# KiCad board keyboardv2.kicad_pcb (continued)
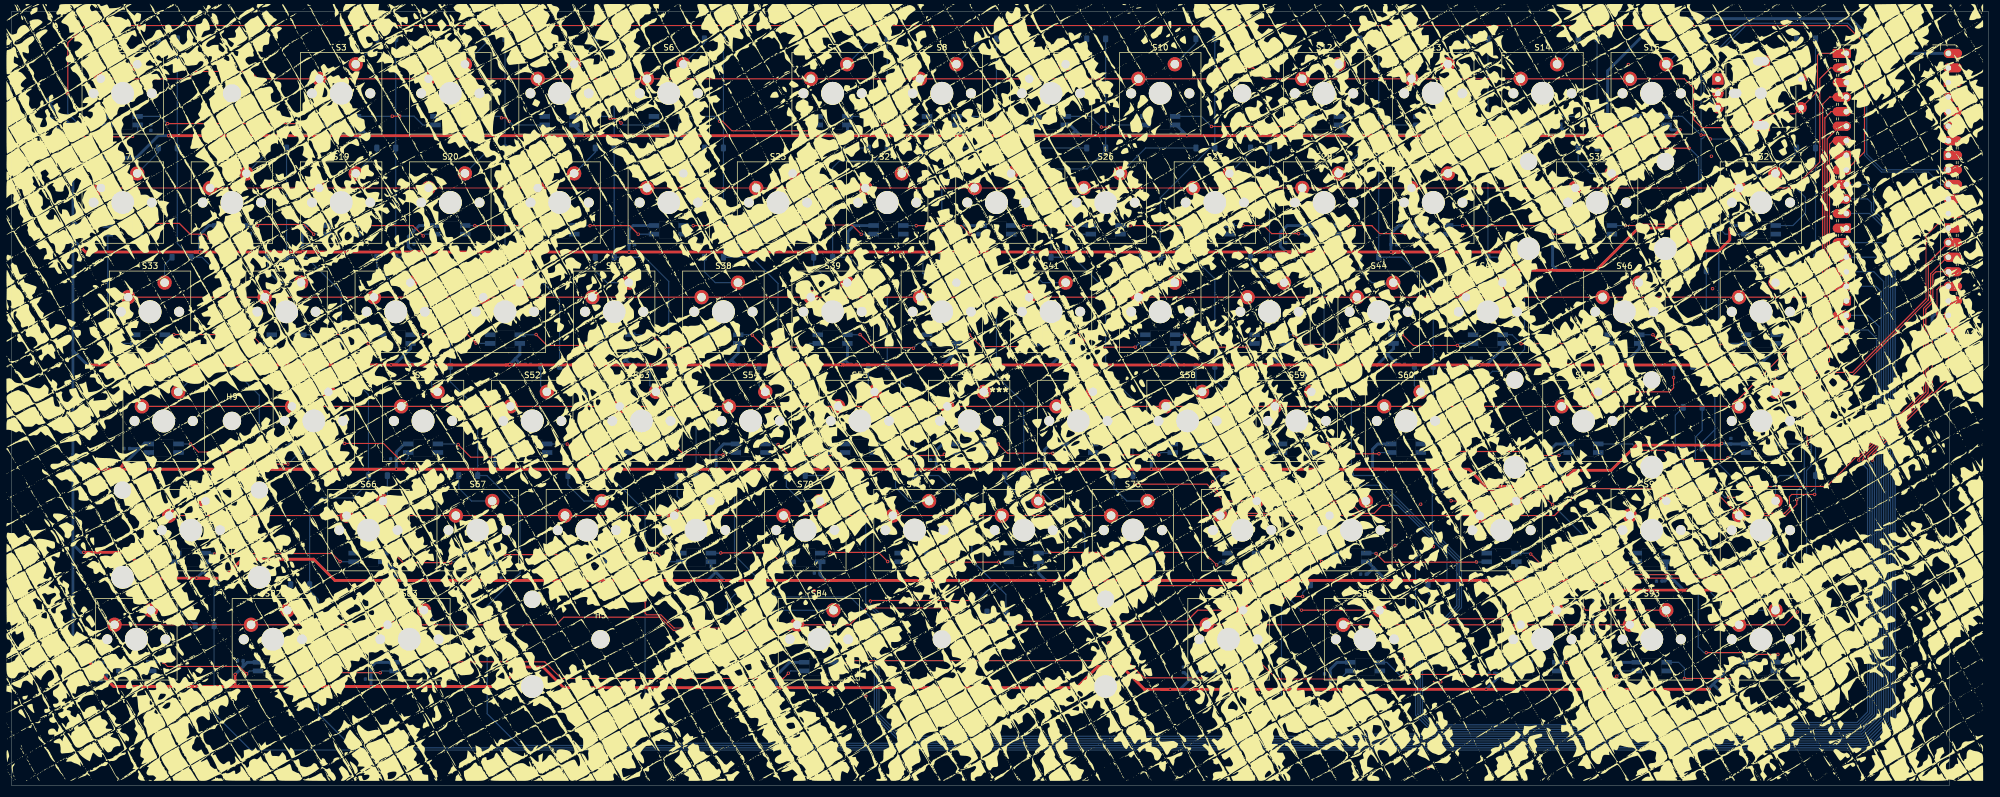
[diagram p0: board, top side]
## Footprints (pads in the part's own frame, mm; a bottom-side part is the same pattern mirrored in y, then rotated)
C_0402_1005Metric
  rrect 0.56x0.62 smd: 1(-0.48,0) 2(0.48,0)
D_SOD-123
  rrect 0.9x1.2 smd: 1(-1.65,0) 2(1.65,0)
LED_SK6812-E
  rect 1.8x0.82 smd: 1(2.6,0.75) 2(2.6,-0.75) 3(-2.6,-0.75) 4(-2.6,0.75)
MountingHole_3.2mm_M3
  round 3.2 hole 3.2 unplated: (0,0)
MX_PCB_1.00u
  round 1.75 hole 1.75 unplated: (-5.08,0) (5.08,0)
  round 4 hole 4 unplated: (0,0)
  round 2.5 hole 1.5: 1(-3.81,2.54) 2(2.54,5.08)
MX_PCB_1.25u
  round 1.75 hole 1.75 unplated: (-5.08,0) (5.08,0)
  round 4 hole 4 unplated: (0,0)
  round 2.5 hole 1.5: 1(-3.81,2.54) 2(2.54,5.08)
MX_PCB_1.50u
  round 1.75 hole 1.75 unplated: (-5.08,0) (5.08,0)
  round 4 hole 4 unplated: (0,0)
  round 2.5 hole 1.5: 1(-3.81,2.54) 2(2.54,5.08)
MX_PCB_1.75u
  round 1.75 hole 1.75 unplated: (-5.08,0) (5.08,0)
  round 4 hole 4 unplated: (0,0)
  round 2.5 hole 1.5: 1(-3.81,2.54) 2(2.54,5.08)
MX_PCB_2.00u
  round 1.75 hole 1.75 unplated: (-5.08,0) (5.08,0)
  round 4 hole 4 unplated: (0,0)
  round 2.5 hole 1.5: 1(-3.81,2.54) 2(2.54,5.08)
MX_PCB_2.25u
  round 1.75 hole 1.75 unplated: (-5.08,0) (5.08,0)
  round 4 hole 4 unplated: (0,0)
  round 2.5 hole 1.5: 1(-3.81,2.54) 2(2.54,5.08)
MX_PCB_6.25u
  round 1.75 hole 1.75 unplated: (-5.08,0) (5.08,0)
  round 4 hole 4 unplated: (0,0)
  round 2.5 hole 1.5: 1(-3.81,2.54) 2(2.54,5.08)
RaspberryPi_Pico_Common_Unspecified
  custom 3.2x1.6 smd: 1(-9.69,24.13) 3(-9.69,19.05) 8(-9.69,6.35) 13(-9.69,-6.35) 18(-9.69,-19.05) 23(9.69,-19.05) 28(9.69,-6.35) 33(9.69,6.35) 38(9.69,19.05)
  rrect 1.6x1.6 hole 1: 1(-8.89,24.13)
  rrect 3.2x1.6 smd: 2(-9.69,21.59) 4(-9.69,16.51) 5(-9.69,13.97) 6(-9.69,11.43) 7(-9.69,8.89) 9(-9.69,3.81) 10(-9.69,1.27) 11(-9.69,-1.27) 12(-9.69,-3.81) 14(-9.69,-8.89) 15(-9.69,-11.43) 16(-9.69,-13.97) 17(-9.69,-16.51) 19(-9.69,-21.59) 20(-9.69,-24.13) 21(9.69,-24.13) 22(9.69,-21.59) 24(9.69,-16.51) 25(9.69,-13.97) 26(9.69,-11.43) 27(9.69,-8.89) 29(9.69,-3.81) 30(9.69,-1.27) 31(9.69,1.27) 32(9.69,3.81) 34(9.69,8.89) 35(9.69,11.43) 36(9.69,13.97) 37(9.69,16.51) 39(9.69,21.59) 40(9.69,24.13)
  round 1.6 hole 1: 2(-8.89,21.59) 4(-8.89,16.51) 5(-8.89,13.97) 6(-8.89,11.43) 7(-8.89,8.89) 9(-8.89,3.81) 10(-8.89,1.27) 11(-8.89,-1.27) 12(-8.89,-3.81) 14(-8.89,-8.89) 15(-8.89,-11.43) 16(-8.89,-13.97) 17(-8.89,-16.51) 19(-8.89,-21.59) 20(-8.89,-24.13) 21(8.89,-24.13) 22(8.89,-21.59) 24(8.89,-16.51) 25(8.89,-13.97) 26(8.89,-11.43) 27(8.89,-8.89) 29(8.89,-3.81) 30(8.89,-1.27) 31(8.89,1.27) 32(8.89,3.81) 34(8.89,8.89) 35(8.89,11.43) 36(8.89,13.97) 37(8.89,16.51) 39(8.89,21.59) 40(8.89,24.13)
  custom 1.6x1.6 hole 1: 3(-8.89,19.05) 8(-8.89,6.35) 13(-8.89,-6.35) 18(-8.89,-19.05) 23(8.89,-19.05) 28(8.89,-6.35) 33(8.89,6.35) 38(8.89,19.05)
RotaryEncoder_Alps_EC11E-Switch_Vertical_H20mm_MountingHoles
  oval 2.2x1.6 hole 2.2x1.6 unplated: (3,-2.5)
  round 2.1 hole 2.1 unplated: (7.5,-2.5)
  rect 2x2 hole 1: A(0,0)
  round 2 hole 1: B(0,-5) C(0,-2.5) S1(14.5,-5) S2(14.5,0)
  rect 3.2x2 hole 2.8x1.5: MP(7.5,3.1) MP(7.5,-8.1)
Stabilizer_MX_2.00u
  round 3.048 hole 3.048 unplated: (-11.938,6.985) (11.938,6.985)
  round 3.988 hole 3.988 unplated: (-11.938,-8.225) (11.938,-8.225)
Stabilizer_MX_6.25u
  round 3.048 hole 3.048 unplated: (-50,6.985) (50,6.985)
  round 3.988 hole 3.988 unplated: (-50,-8.225) (50,-8.225)

## Nets
GND: A1.3 A1.8 A1.13 A1.18 A1.23 A1.28 A1.33 A1.38 C1.1 C2.1 C3.1 C4.1 C5.1 C6.1 C7.1 C8.1 C9.1 C10.1 C11.1 C12.1 C13.1 C14.1 C15.1 C16.1 C17.1 C18.1 C19.1 C20.1 C21.1 C22.1 C23.1 C24.1 C25.1 C26.1 C27.1 C28.1 C29.1 C30.1 C31.1 C32.1 C33.1 C34.1 C35.1 C36.1 C37.1 C38.1 C39.1 C40.1 C41.1 C42.1 C43.1 C44.1 C45.1 C46.1 C47.1 C48.1 C49.1 C50.1 C51.1 C52.1 C53.1 C54.1 C55.1 C56.1 C57.1 C58.1 C59.1 C60.1 C61.1 C62.1 C63.1 C64.1 C65.1 C66.1 C67.1 C68.1 C69.1 C70.1 C71.1 C72.1 C73.1 C74.1 C75.1 C76.1 C77.1 C78.1 C79.1 C80.1 D97.3 D99.3 D100.3 D101.3 D102.3 D103.3 D104.3 D105.3 D106.3 D108.3 D109.3 D110.3 D111.3 D113.3 D114.3 D115.3 D116.3 D117.3 D118.3 D119.3 D120.3 D121.3 D122.3 D123.3 D124.3 D125.3 D126.3 D128.3 D129.3 D130.3 D131.3 D132.3 D133.3 D134.3 D135.3 D136.3 D137.3 D138.3 D139.3 D140.3 D141.3 D142.3 D144.3 D145.3 D146.3 D147.3 D148.3 D149.3 D150.3 D151.3 D152.3 D153.3 D154.3 D155.3 D156.3 D158.3 D160.3 D161.3 D162.3 D163.3 D164.3 D165.3 D166.3 D167.3 D168.3 D169.3 D170.3 D171.3 D173.3 D176.3 D177.3 D178.3 D179.3 D180.3 D183.3 D184.3 D185.3 D189.3 D190.3 D192.3 SW1.C SW1.MP
VBUS: A1.40 C2.2 C3.2 C4.2 C5.2 C6.2 C7.2 C8.2 C9.2 C10.2 C11.2 C12.2 C13.2 C14.2 C15.2 C16.2 C17.2 C18.2 C19.2 C20.2 C21.2 C22.2 C23.2 C24.2 C25.2 C26.2 C27.2 C28.2 C29.2 C30.2 C31.2 C32.2 C33.2 C34.2 C35.2 C36.2 C37.2 C38.2 C39.2 C40.2 C41.2 C42.2 C43.2 C44.2 C45.2 C46.2 C47.2 C48.2 C49.2 C50.2 C51.2 C52.2 C53.2 C54.2 C55.2 C56.2 C57.2 C58.2 C59.2 C60.2 C61.2 C62.2 C63.2 C64.2 C65.2 C66.2 C67.2 C68.2 C69.2 C70.2 C71.2 C72.2 C73.2 C74.2 C75.2 C76.2 C77.2 C78.2 C79.2 C80.2 D85.2 D99.1 D100.1 D101.1 D102.1 D103.1 D104.1 D105.1 D106.1 D108.1 D109.1 D110.1 D111.1 D113.1 D114.1 D115.1 D116.1 D117.1 D118.1 D119.1 D120.1 D121.1 D122.1 D123.1 D124.1 D125.1 D126.1 D128.1 D129.1 D130.1 D131.1 D132.1 D133.1 D134.1 D135.1 D136.1 D137.1 D138.1 D139.1 D140.1 D141.1 D142.1 D144.1 D145.1 D146.1 D147.1 D148.1 D149.1 D150.1 D151.1 D152.1 D153.1 D154.1 D155.1 D156.1 D158.1 D160.1 D161.1 D162.1 D163.1 D164.1 D165.1 D166.1 D167.1 D168.1 D169.1 D170.1 D171.1 D173.1 D176.1 D177.1 D178.1 D179.1 D180.1 D183.1 D184.1 D185.1 D189.1 D190.1 D192.1
COL0: A1.10 D1.1 D17.1 D33.1 D49.1 D65.1 D81.1
COL1: A1.11 D18.1 D34.1 D50.1 D66.1 D82.1
COL2: A1.12 D3.1 D19.1 D35.1 D51.1 D67.1 D83.1
COL3: A1.14 D4.1 D20.1 D36.1 D52.1 D68.1 D84.1
COL4: A1.15 D5.1 D21.1 D37.1 D53.1 D69.1
COL5: A1.16 D6.1 D22.1 D38.1 D54.1 D70.1
COL6: A1.17 D7.1 D23.1 D39.1 D55.1 D71.1 D87.1
COL7: A1.19 D8.1 D24.1 D40.1 D56.1 D72.1 D88.1
COL8: A1.20 D9.1 D25.1 D41.1 D57.1 D73.1 D89.1
COL9: A1.21 D10.1 D26.1 D42.1 D58.1 D74.1
COL10: A1.22 D27.1 D43.1 D59.1 D75.1
COL11: A1.24 D12.1 D28.1 D44.1 D60.1
COL12: A1.25 D13.1 D29.1 D45.1 D77.1 D93.1
COL13: A1.26 D14.1 D30.1 D46.1 D62.1 D94.1
COL14: A1.27 D15.1
COL15: A1.29 D16.1 D32.1 D48.1 D64.1 D80.1 D96.1
ENC_A: A1.31 SW1.A
ENC_B: A1.32 SW1.B
ENC_SW_1: A1.1 S1.1 S3.1 S4.1 S5.1 S6.1 S7.1 S8.1 S9.1 S10.1 S12.1 S13.1 S14.1 S15.1 SW1.S1
ENC_SW_2: D16.2 SW1.S2
RGB DATA: A1.9 D97.4
ROW1: A1.2 S17.1 S18.1 S19.1 S20.1 S21.1 S22.1 S23.1 S24.1 S25.1 S26.1 S27.1 S28.1 S29.1 S30.1 S32.1
ROW2: A1.4 S33.1 S34.1 S35.1 S36.1 S37.1 S38.1 S39.1 S40.1 S41.1 S42.1 S43.1 S44.1 S45.1 S46.1 S48.1
ROW3: A1.5 S49.1 S50.1 S51.1 S52.1 S53.1 S54.1 S55.1 S56.1 S57.1 S58.1 S59.1 S60.1 S62.1 S64.1
ROW4: A1.6 S65.1 S66.1 S67.1 S68.1 S69.1 S70.1 S71.1 S72.1 S73.1 S74.1 S75.1 S77.1 S80.1
ROW5: A1.7 S81.1 S82.1 S83.1 S84.1 S87.1 S88.1 S89.1 S93.1 S94.1 S96.1
Net-(D1-A): D1.2 S1.2
Net-(D3-A): D3.2 S3.2
Net-(D4-A): D4.2 S4.2
Net-(D5-A): D5.2 S5.2
Net-(D6-A): D6.2 S6.2
Net-(D7-A): D7.2 S7.2
Net-(D8-A): D8.2 S8.2
Net-(D9-A): D9.2 S9.2
Net-(D10-A): D10.2 S10.2
Net-(D12-A): D12.2 S12.2
Net-(D13-A): D13.2 S13.2
Net-(D14-A): D14.2 S14.2
Net-(D15-A): D15.2 S15.2
Net-(D17-A): D17.2 S17.2
Net-(D18-A): D18.2 S18.2
Net-(D19-A): D19.2 S19.2
Net-(D20-A): D20.2 S20.2
Net-(D21-A): D21.2 S21.2
Net-(D22-A): D22.2 S22.2
Net-(D23-A): D23.2 S23.2
Net-(D24-A): D24.2 S24.2
Net-(D25-A): D25.2 S25.2
Net-(D26-A): D26.2 S26.2
Net-(D27-A): D27.2 S27.2
Net-(D28-A): D28.2 S28.2
Net-(D29-A): D29.2 S29.2
Net-(D30-A): D30.2 S30.2
Net-(D32-A): D32.2 S32.2
Net-(D33-A): D33.2 S33.2
Net-(D34-A): D34.2 S34.2
Net-(D35-A): D35.2 S35.2
Net-(D36-A): D36.2 S36.2
Net-(D37-A): D37.2 S37.2
Net-(D38-A): D38.2 S38.2
Net-(D39-A): D39.2 S39.2
Net-(D40-A): D40.2 S40.2
Net-(D41-A): D41.2 S41.2
Net-(D42-A): D42.2 S42.2
Net-(D43-A): D43.2 S43.2
Net-(D44-A): D44.2 S44.2
Net-(D45-A): D45.2 S45.2
Net-(D46-A): D46.2 S46.2
Net-(D48-A): D48.2 S48.2
Net-(D49-A): D49.2 S49.2
Net-(D50-A): D50.2 S50.2
Net-(D51-A): D51.2 S51.2
Net-(D52-A): D52.2 S52.2
Net-(D53-A): D53.2 S53.2
Net-(D54-A): D54.2 S54.2
Net-(D55-A): D55.2 S55.2
Net-(D56-A): D56.2 S56.2
Net-(D57-A): D57.2 S57.2
Net-(D58-A): D58.2 S58.2
Net-(D59-A): D59.2 S59.2
Net-(D60-A): D60.2 S60.2
Net-(D62-A): D62.2 S62.2
Net-(D64-A): D64.2 S64.2
Net-(D65-A): D65.2 S65.2
Net-(D66-A): D66.2 S66.2
Net-(D67-A): D67.2 S67.2
Net-(D68-A): D68.2 S68.2
Net-(D69-A): D69.2 S69.2
Net-(D70-A): D70.2 S70.2
Net-(D71-A): D71.2 S71.2
Net-(D72-A): D72.2 S72.2
Net-(D73-A): D73.2 S73.2
Net-(D74-A): D74.2 S74.2
Net-(D75-A): D75.2 S75.2
Net-(D77-A): D77.2 S77.2
Net-(D80-A): D80.2 S80.2
Net-(D81-A): D81.2 S81.2
Net-(D82-A): D82.2 S82.2
Net-(D83-A): D83.2 S83.2
Net-(D84-A): D84.2 S84.2
Net-(D85-K): C1.2 D85.1 D97.1
Net-(D87-A): D87.2 S87.2
Net-(D88-A): D88.2 S88.2
Net-(D89-A): D89.2 S89.2
Net-(D93-A): D93.2 S93.2
Net-(D94-A): D94.2 S94.2
Net-(D96-A): D96.2 S96.2
Net-(D97-DOUT): D97.2 D99.4
Net-(D100-DIN): D99.2 D100.4
Net-(D100-DOUT): D100.2 D101.4
Net-(D101-DOUT): D101.2 D102.4
Net-(D102-DOUT): D102.2 D103.4
Net-(D103-DOUT): D103.2 D104.4
Net-(D104-DOUT): D104.2 D105.4
Net-(D105-DOUT): D105.2 D106.4
Net-(D106-DOUT): D106.2 D108.4
Net-(D108-DOUT): D108.2 D109.4
Net-(D109-DOUT): D109.2 D110.4
Net-(D110-DOUT): D110.2 D111.4
Net-(D111-DOUT): D111.2 D128.4
Net-(D113-DIN): D113.4 D114.2
Net-(D113-DOUT): D113.2 D129.4
Net-(D114-DIN): D114.4 D115.2
Net-(D115-DIN): D115.4 D116.2
Net-(D116-DIN): D116.4 D117.2
Net-(D117-DIN): D117.4 D118.2
Net-(D118-DIN): D118.4 D119.2
Net-(D119-DIN): D119.4 D120.2
Net-(D120-DIN): D120.4 D121.2
Net-(D121-DIN): D121.4 D122.2
Net-(D122-DIN): D122.4 D123.2
Net-(D123-DIN): D123.4 D124.2
Net-(D124-DIN): D124.4 D125.2
Net-(D125-DIN): D125.4 D126.2
Net-(D126-DIN): D126.4 D128.2
Net-(D129-DOUT): D129.2 D130.4
Net-(D130-DOUT): D130.2 D131.4
Net-(D131-DOUT): D131.2 D132.4
Net-(D132-DOUT): D132.2 D133.4
Net-(D133-DOUT): D133.2 D134.4
Net-(D134-DOUT): D134.2 D135.4
Net-(D135-DOUT): D135.2 D136.4
Net-(D136-DOUT): D136.2 D137.4
Net-(D137-DOUT): D137.2 D138.4
Net-(D138-DOUT): D138.2 D139.4
Net-(D139-DOUT): D139.2 D140.4
Net-(D140-DOUT): D140.2 D141.4
Net-(D141-DOUT): D141.2 D142.4
Net-(D142-DOUT): D142.2 D144.4
Net-(D144-DOUT): D144.2 D160.4
Net-(D145-DIN): D145.4 D146.2
Net-(D145-DOUT): D145.2 D161.4
Net-(D146-DIN): D146.4 D147.2
Net-(D147-DIN): D147.4 D148.2
Net-(D148-DIN): D148.4 D149.2
Net-(D149-DIN): D149.4 D150.2
Net-(D150-DIN): D150.4 D151.2
Net-(D151-DIN): D151.4 D152.2
Net-(D152-DIN): D152.4 D153.2
Net-(D153-DIN): D153.4 D154.2
Net-(D154-DIN): D154.4 D155.2
Net-(D155-DIN): D155.4 D156.2
Net-(D156-DIN): D156.4 D158.2
Net-(D158-DIN): D158.4 D160.2
Net-(D161-DOUT): D161.2 D162.4
Net-(D162-DOUT): D162.2 D163.4
Net-(D163-DOUT): D163.2 D164.4
Net-(D164-DOUT): D164.2 D165.4
Net-(D165-DOUT): D165.2 D166.4
Net-(D166-DOUT): D166.2 D167.4
Net-(D167-DOUT): D167.2 D168.4
Net-(D168-DOUT): D168.2 D169.4
Net-(D169-DOUT): D169.2 D170.4
Net-(D170-DOUT): D170.2 D171.4
Net-(D171-DOUT): D171.2 D173.4
Net-(D173-DOUT): D173.2 D176.4
Net-(D176-DOUT): D176.2 D192.4
Net-(D177-DIN): D177.4 D178.2
Net-(D178-DIN): D178.4 D179.2
Net-(D179-DIN): D179.4 D180.2
Net-(D180-DIN): D180.4 D183.2
Net-(D183-DIN): D183.4 D184.2
Net-(D184-DIN): D184.4 D185.2
Net-(D185-DIN): D185.4 D189.2
Net-(D189-DIN): D189.4 D190.2
Net-(D190-DIN): D190.4 D192.2

Pads without a net: A1 30 34 35 36 37 39; D177 2

## Via types
v1: diameter 0.6, hole 0.3, Top to Bottom, 294 vias

## Routing (per net, layer and track width the routed paths; a pad name or vN(x,y) marks a point on that pad's centre or on a via; arc(x,y) is an arc through that point)
GND: length 11.9
  Top w0.2: 248.22,17.98 248.02,18.18
  Bottom w0.5: 337.86,84.56 335.02,81.72 335.02,78.18 v1(336.52,76.68) ; 13.82,18.18 14.02,18.38 C72.1
  vias: v1(112.82,8.28) v1(140.02,33.98) v1(149.02,15.58) v1(179.22,13.48) v1(191.42,24.88) v1(241.32,41.88) v1(243.02,22.18) v1(245.82,49.08) v1(247.12,3.08) v1(248.02,41.68) v1(249.32,18.08) v1(265.12,50.08) v1(282.02,125.78) v1(296.52,109.78) v1(296.72,86.68) v1(303.92,36.28) v1(309.82,77.68)
VBUS: length 2601.1
  Top w0.5: v1(166.02,93.08) 167.02,93.08 ; 167.02,93.08 148.02,93.08 ; 167.02,93.08 185.22,93.08 ; 125.92,73.38 125.82,73.48 v1(124.82,73.48) ; 125.92,73.38 108.32,73.38 ; 125.92,73.38 145.12,73.38 ; v1(199.62,35.78) 200.52,35.78 ; 200.52,35.78 181.92,35.78 ; 200.52,35.78 220.72,35.78 ; 128.72,93.08 148.02,93.08 ; 128.72,93.08 109.22,93.08 ; 128.72,93.08 v1(126.92,93.08) ; 148.02,93.08 v1(145.92,93.08) ; v1(68.62,35.78) 71.82,35.78 ; 71.82,35.78 88.42,35.78 ; 71.82,35.78 56.42,35.78 52.72,39.48 40.22,39.48 36.92,36.18 35.32,36.18 ; 130.52,17.08 96.32,17.08 92.72,20.68 88.72,20.68 85.32,17.28 v1(62.72,17.28) 38.92,17.28 ; 130.52,17.08 185.82,17.08 189.52,20.78 193.62,20.78 197.62,16.78 200.62,16.78 ; 130.52,17.08 v1(133.42,17.08) ; v1(237.42,55.18) 238.62,55.18 ; 238.62,55.18 254.22,55.18 257.22,52.18 269.72,52.18 271.62,54.08 ; 238.62,55.18 219.72,55.18 ; v1(162.42,73.38) 164.02,73.38 ; 164.02,73.38 182.92,73.38 ; 164.02,73.38 145.12,73.38 ; v1(32.32,36.18) 35.32,36.18 ; 35.32,36.18 24.62,36.18 20.12,40.68 v1(12.62,40.68) ; 181.92,35.78 154.92,35.78 ; 181.92,35.78 v1(180.42,35.78) ; v1(280.12,73.38) 281.82,73.38 ; 281.82,73.38 302.92,73.38 v1(303.22,73.68) ; 281.82,73.38 257.72,73.38 ; 280.22,113.38 279.82,113.78 v1(279.82,115.98) ; 280.22,113.38 271.72,113.38 ; 280.22,113.38 290.02,113.38 v1(291.02,114.38) ; 38.92,17.28 17.82,17.28 v1(13.42,21.68) ; 38.92,17.28 39.02,17.38 v1(39.02,19.38) ; 271.72,113.38 v1(270.52,113.38) ; 271.72,113.38 v1(252.52,113.38) v1(233.32,113.38) v1(205.02,113.38) v1(186.52,113.38) v1(166.62,113.38) v1(146.72,113.38) v1(118.92,113.38) v1(99.92,113.38) v1(81.42,113.38) v1(62.12,113.38) v1(27.42,113.38) ; v1(203.42,93.08) 204.72,93.08 ; 204.72,93.08 185.22,93.08 ; 204.72,93.08 224.62,93.08 ; 220.72,35.78 234.72,35.78 ; 220.72,35.78 220.72,38.38 v1(220.52,38.58) ; 234.72,35.78 259.82,35.78 ; 234.72,35.78 v1(239.82,35.78) ; 96.42,35.78 125.72,35.78 ; 96.42,35.78 v1(100.02,35.78) ; 96.42,35.78 88.42,35.78 ; 125.72,35.78 v1(124.32,35.78) ; 125.72,35.78 143.92,35.78 ; 145.72,55.18 162.52,55.18 ; 145.72,55.18 v1(142.42,55.18) ; 145.72,55.18 124.72,55.18 ; 162.52,55.18 v1(161.32,55.18) ; 162.52,55.18 180.52,55.18 ; 182.92,73.38 202.12,73.38 ; 182.92,73.38 v1(180.42,73.38) ; 202.12,73.38 219.32,73.38 ; 202.12,73.38 v1(200.42,73.38) ; v1(82.32,35.78) 88.42,35.78 ; 86.22,73.38 108.32,73.38 ; 86.22,73.38 86.82,73.38 v1(86.92,73.48) ; 86.22,73.38 v1(66.22,73.38) v1(49.62,73.38) v1(28.52,73.38) v1(13.72,73.38) ; 108.32,73.38 v1(106.22,73.38) ; v1(180.22,55.28) 180.32,55.18 180.52,55.18 ; v1(158.52,35.78) 154.92,35.78 ; 154.92,35.78 143.92,35.78 ; v1(240.62,93.08) 242.12,93.08 ; 242.12,93.08 259.62,93.08 262.82,89.88 275.62,89.88 ; 242.12,93.08 224.62,93.08 ; 89.02,55.18 124.72,55.18 ; 89.02,55.18 v1(84.32,55.18) ; 89.02,55.18 69.52,55.18 ; 124.72,55.18 v1(122.92,55.18) ; 277.82,16.78 v1(296.12,16.78) ; 277.82,16.78 v1(277.22,16.78) ; 277.82,16.78 v1(257.22,16.78) v1(230.02,16.78) 200.62,16.78 ; 219.72,55.18 v1(217.92,55.18) ; 219.72,55.18 200.02,55.18 ; 219.32,73.38 v1(217.72,73.38) ; 219.32,73.38 239.12,73.38 ; 200.62,16.78 v1(202.12,16.78) ; 32.02,93.08 12.92,93.08 v1(12.32,93.68) ; 32.02,93.08 v1(32.82,93.08) ; 32.02,93.08 52.72,93.08 ; v1(107.72,93.08) 109.22,93.08 ; 109.22,93.08 90.32,93.08 ; v1(305.32,34.08) 279.12,34.08 277.42,35.78 259.82,35.78 ; 69.52,55.18 52.02,55.18 ; 69.52,55.18 v1(67.12,55.18) ; 145.12,73.38 144.72,73.38 v1(144.62,73.48) ; v1(13.62,55.18) 18.42,55.18 ; 18.42,55.18 52.02,55.18 ; 18.42,55.18 18.72,55.18 v1(19.52,55.98) ; 143.92,35.78 v1(142.02,35.78) ; v1(299.72,97.08) 299.72,95.18 297.82,93.28 294.22,93.28 290.22,97.28 283.82,97.28 276.42,89.88 275.62,89.88 ; 271.62,54.08 272.52,54.98 279.02,54.98 283.42,59.38 297.92,59.38 298.22,59.68 v1(298.32,59.68) ; 271.62,54.08 v1(271.02,53.48) ; 180.52,55.18 200.02,55.18 ; 259.82,35.78 v1(265.02,35.78) ; v1(88.42,93.08) 90.32,93.08 ; 90.32,93.08 71.52,93.08 ; 185.22,93.08 v1(184.02,93.08) ; 52.72,93.08 71.52,93.08 ; 52.72,93.08 v1(50.82,93.08) ; 71.52,93.08 70.12,93.08 v1(70.02,93.18) ; v1(198.82,55.18) 200.02,55.18 ; 239.12,73.38 257.72,73.38 ; 239.12,73.38 v1(236.92,73.38) ; 224.62,93.08 v1(222.32,93.08) ; 52.02,55.18 v1(44.22,55.18) ; 257.72,73.38 v1(256.12,73.38) ; v1(274.22,89.88) 275.62,89.88
  Bottom w0.5: v1(133.42,17.08) 133.42,19.18 135.73,21.49 D180.1 ; 145.37,74.23 146.12,73.48 C35.2 ; 145.37,74.23 v1(144.62,73.48) ; 145.37,74.23 145.83,74.69 D135.1 ; v1(49.62,73.38) 50.58,74.34 D130.1 ; C4.2 99.2,114.08 99.22,114.08 ; 10.72,96.08 10.72,75.88 ; 10.72,96.08 10.72,95.28 v1(12.32,93.68) ; 10.72,96.08 10.72,98.48 ; 10.72,75.88 10.72,57.78 ; 10.72,75.88 13.22,73.38 v1(13.72,73.38) ; 99.22,114.08 v1(99.92,113.38) ; 99.22,114.08 98.21,115.09 D101.1 ; v1(66.22,73.38) 66.78,73.38 68.3,74.9 ; 107.12,74.28 v1(106.22,73.38) ; 107.12,74.28 107.92,73.48 C33.2 ; 107.12,74.28 107.95,75.11 D133.1 ; 61.32,114.18 61.27,114.23 61.09,114.23 C2.2 ; 61.32,114.18 v1(62.12,113.38) ; 61.32,114.18 60.26,115.24 D99.1 ; 87.87,74.43 88.68,75.24 D132.1 ; 87.87,74.43 v1(86.92,73.48) ; 87.87,74.43 88.82,73.48 89.54,73.48 ; 296.82,17.68 300.63,21.49 D190.1 ; 296.82,17.68 298.22,16.28 C80.2 ; 296.82,17.68 296.12,16.98 v1(296.12,16.78) ; 16.52,109.48 19.72,109.48 ; 16.52,109.48 13.62,109.48 ; 16.52,109.48 16.02,109.48 13.62,111.88 ; D154.1 200.33,59.59 198.82,58.08 v1(198.82,55.18) ; 146.17,113.93 145.83,114.27 D103.1 ; 146.17,113.93 v1(146.72,113.38) ; 146.17,113.93 145.62,113.38 C6.2 ; D162.1 65.36,39.04 67.47,36.93 ; v1(230.02,16.78) 230.02,20.28 231.23,21.49 D184.1 ; D179.1 63.53,21.49 62.72,20.68 v1(62.72,17.28) ; C70.2 305.92,36.18 306.67,35.43 ; C69.2 288.42,35.68 289.27,36.53 ; D138.1 202.98,75.94 201.82,74.78 ; 122.87,37.23 v1(124.32,35.78) ; 122.87,37.23 121.42,35.78 C62.2 ; 122.87,37.23 122.02,38.08 D165.1 ; C67.2 236.52,36.88 237.62,37.98 ; D164.1 102.97,38.13 101.57,36.73 ; D108.1 231.56,115.14 232.62,114.08 ; v1(203.42,93.08) 203.42,96.88 204.23,97.69 D123.1 ; 205.67,18.63 203.82,16.78 v1(202.12,16.78) ; 205.67,18.63 204.6,19.7 C76.2 ; 205.67,18.63 208.53,21.49 D183.1 ; v1(280.12,73.38) 281.09,73.38 283.94,76.23 D142.1 ; v1(222.32,93.08) 221.32,94.08 221.32,96.48 222.53,97.69 D124.1 ; 232.62,114.08 232.02,113.48 C10.2 ; 232.62,114.08 v1(233.32,113.38) ; D105.1 184.66,115.24 185.62,114.28 ; C78.2 259.12,19.58 259.57,19.13 ; D169.1 198.22,37.18 v1(199.62,35.78) ; 165.72,114.28 164.88,115.12 D104.1 ; 165.72,114.28 v1(166.62,113.38) ; 165.72,114.28 165.02,113.58 C7.2 ; 22.22,58.68 22.12,58.78 21.82,58.78 ; 22.22,58.68 v1(19.52,55.98) ; 22.22,58.68 22.52,58.98 ; v1(184.02,93.08) 184.02,96.58 185.13,97.69 D122.1 ; 300.33,97.69 299.52,98.5 C28.2 ; 300.33,97.69 D128.1 ; 300.33,97.69 v1(299.72,97.08) ; C12.2 v1(270.52,113.38) 270.52,114.48 269.72,115.28 269.68,115.24 D110.1 ; C29.2 26.12,74.28 26.87,75.03 ; 306.67,35.43 v1(305.32,34.08) ; 306.67,35.43 307.76,36.52 D176.1 ; 201.82,74.78 v1(200.42,73.38) ; 201.82,74.78 202.14,74.78 C38.2 ; D153.1 181.23,59.59 180.22,58.58 v1(180.22,55.28) ; v1(217.92,55.18) 217.92,57.98 219.53,59.59 D155.1 ; 13.62,109.48 13.62,111.38 ; 13.62,109.48 10.72,106.58 10.72,98.48 ; 13.62,109.48 13.62,111.38 ; v1(142.42,55.18) 142.42,58.38 143.63,59.59 D151.1 ; C45.2 46.42,58.58 47.02,57.98 ; v1(240.62,93.08) 240.62,96.28 242.03,97.69 D125.1 ; 101.57,36.73 102.52,35.78 C61.2 ; 101.57,36.73 100.62,35.78 v1(100.02,35.78) ; 125.57,74.23 v1(124.82,73.48) ; 125.57,74.23 126.42,73.38 C34.2 ; 125.57,74.23 126.78,75.44 D134.1 ; 278.12,19.08 280.53,21.49 D189.1 ; 278.12,19.08 277.22,18.18 v1(277.22,16.78) ; 278.12,19.08 278.62,18.58 C79.2 ; 68.3,74.9 69.63,76.23 D131.1 ; 68.3,74.9 69.62,73.58 C31.2 ; 19.72,109.48 20.72,109.48 ; 19.72,109.48 21.72,109.48 25.62,113.38 v1(27.42,113.38) ; 47.02,57.98 48.63,59.59 D146.1 ; 47.02,57.98 v1(44.22,55.18) ; D167.1 160.12,37.38 v1(158.52,35.78) ; 251.77,114.13 v1(252.52,113.38) ; 251.77,114.13 251.32,113.68 C11.2 ; 251.77,114.13 250.66,115.24 D109.1 ; D118.1 108.43,97.69 107.72,96.98 v1(107.72,93.08) ; C41.2 254.84,73.38 v1(256.12,73.38) 257.28,73.38 260.13,76.23 D141.1 ; 263.57,37.23 v1(265.02,35.78) ; 263.57,37.23 262.51,38.29 D173.1 ; 263.57,37.23 262.62,36.28 C68.2 ; 204.32,114.08 203.16,115.24 D106.1 ; 204.32,114.08 v1(205.02,113.38) ; 204.32,114.08 203.82,113.58 C9.2 ; 26.87,75.03 v1(28.52,73.38) ; 26.87,75.03 26.77,75.13 D129.1 ; 219.42,39.04 220.06,39.04 v1(220.52,38.58) ; 219.42,39.04 D170.1 ; 219.42,39.04 219.42,38.88 218.5,37.96 C71.2 ; C3.2 80.37,114.41 80.37,114.43 ; v1(303.22,73.68) 305.21,73.68 307.76,76.23 D144.1 ; v1(279.82,115.98) 279.22,115.98 278.42,116.78 278.42,124.68 285.42,131.68 288.42,131.68 290.52,133.78 320.82,133.78 326.86,127.74 337.86,127.74 ; 118.17,114.13 v1(118.92,113.38) ; 118.17,114.13 117.12,113.08 C5.2 ; 118.17,114.13 117.26,115.04 D102.1 ; 289.27,36.53 291.72,34.08 v1(292.22,34.08) ; 289.27,36.53 288.71,37.09 D192.1 ; D171.1 236.56,39.04 237.62,37.98 ; D136.1 164.88,75.84 163.72,74.68 ; 83.37,36.83 83.92,37.38 D163.1 ; 83.37,36.83 84.02,36.18 C60.2 ; 83.37,36.83 v1(82.32,35.78) ; 80.37,114.43 v1(81.42,113.38) ; 80.37,114.43 79.56,115.24 D100.1 ; 163.72,74.68 164.92,73.48 C36.2 ; 163.72,74.68 v1(162.42,73.38) ; v1(274.22,89.88) 269.62,89.88 268.82,90.68 268.82,96.88 269.63,97.69 D126.1 ; 22.52,58.98 23.13,59.59 D145.1 ; 22.52,58.98 22.32,58.78 21.82,58.78 ; 237.62,37.98 v1(239.82,35.78) ; D137.1 184.15,76.21 182.57,74.63 ; v1(217.72,73.38) 219.18,73.38 220.25,74.45 ; 10.72,57.78 10.72,42.08 ; 10.72,57.78 10.72,57.58 13.12,55.18 v1(13.62,55.18) ; v1(84.32,55.18) 84.32,57.88 86.03,59.59 88.24,59.59 ; 13.62,111.88 13.62,111.38 ; 13.62,111.88 6.72,118.78 D85.2 ; D185.1 261.93,21.49 259.57,19.13 ; D178.1 41.13,21.49 39.92,20.28 ; D147.1 68.53,59.59 67.12,58.18 v1(67.12,55.18) ; v1(32.82,93.08) 32.82,96.08 34.43,97.69 D114.1 ; 259.57,19.13 v1(257.22,16.78) ; 39.92,20.28 40.4,20.76 C73.2 ; 39.92,20.28 v1(39.02,19.38) ; v1(180.42,35.78) 179.17,37.03 D168.1 ; 220.25,74.45 222.03,76.23 D139.1 ; 220.25,74.45 221.32,73.38 C39.2 ; D152.1 162.43,59.59 161.32,58.48 v1(161.32,55.18) ; 33.42,37.28 v1(32.32,36.18) ; 33.42,37.28 33.91,37.78 D161.1 ; 33.42,37.28 34.04,36.66 C58.2 ; v1(166.02,93.08) 165.32,93.78 165.32,96.88 166.13,97.69 D121.1 ; C37.2 183.72,73.48 182.57,74.63 ; 21.82,58.78 C44.2 ; 10.72,42.08 12.12,40.68 v1(12.62,40.68) ; 10.72,42.08 10.72,24.38 v1(13.42,21.68) 13.61,21.49 D177.1 17.63,21.49 16.6,20.46 C72.2 ; 182.57,74.63 181.32,73.38 v1(180.42,73.38) ; v1(142.02,35.78) 141.07,36.73 D166.1 ; 240.02,75.18 241.72,73.48 C40.2 ; 240.02,75.18 238.23,73.38 v1(236.92,73.38) ; 240.02,75.18 241.08,76.23 D140.1 ; D111.1 289.57,114.38 v1(291.02,114.38) 291,114.38 C13.2 ; v1(70.02,93.18) 69.22,93.98 69.22,95.78 71.13,97.69 D116.1 ; 67.47,36.93 67.15,36.93 C59.2 ; 67.47,36.93 v1(68.62,35.78) ; v1(88.42,93.08) 88.42,96.58 89.53,97.69 D117.1 ; v1(298.32,59.68) 298.84,59.68 298.93,59.59 D160.1 ; D120.1 146.93,97.69 145.92,96.68 v1(145.92,93.08) ; 185.62,114.28 184.82,113.48 C8.2 ; 185.62,114.28 v1(186.52,113.38) ; v1(271.02,53.48) 268.62,55.88 268.62,58.78 269.43,59.59 D158.1 ; 10.72,98.48 11.51,97.69 D113.1 ; v1(122.92,55.18) 122.92,58.28 124.23,59.59 126.34,59.59 ; v1(103.42,55.18) 103.42,58.08 104.93,59.59 D149.1 ; v1(50.82,93.08) 50.72,93.18 50.72,96.98 51.43,97.69 D115.1 ; v1(126.92,93.08) 126.92,96.68 127.93,97.69 D119.1 ; v1(237.42,55.18) 237.42,58.68 238.33,59.59 D156.1
COL0: length 525.9
  Bottom w0.2: 320.08,104.88 323.62,104.88 324.82,103.68 324.82,100.38 328.56,96.64 328.56,10.62 324.12,6.18 41.72,6.18 35.34,12.56 D81.1 35.34,34.61 40.11,39.37 D65.1 40.6,56.46 43.22,59.08 43.22,68.08 38.46,72.84 D49.1 38.46,86.94 33.22,92.18 D33.1 28.93,94.56 D1.1
COL1: length 490.6
  Bottom w0.2: 320.08,102.34 323.76,102.34 324.42,101.68 324.42,100.12 328.16,96.38 328.16,10.79 323.95,6.58 59.52,6.58 53.52,12.58 53.52,32.48 52.01,33.99 D82.1 52.01,48.08 54.12,50.18 59.62,50.18 62.27,52.83 D66.1 62.27,68.23 57.51,72.99 D50.1 57.51,86.09 51.42,92.18 D34.1 D18.1
COL2: length 476.9
  Bottom w0.2: D3.1 D35.1 73.42,92.18 76.56,89.04 D51.1 76.56,70.44 81.32,65.68 D67.1 82.92,54.08 88.72,48.28 88.72,37.08 82.97,31.33 D83.1 82.97,12.53 88.52,6.98 323.79,6.98 327.76,10.96 327.76,96.14 324.1,99.8 320.08,99.8
COL3: length 465.5
  Top w0.2: v1(126.42,27.98) 125.92,27.48 115.58,27.48 113.28,29.78 110.82,29.78 110.52,30.08 v1(110.52,32.28)
  Bottom w0.2: v1(110.52,32.28) 110.52,31.28 ; 110.52,31.28 110.52,12.48 115.62,7.38 323.52,7.38 327.36,11.22 327.36,93.54 326.18,94.72 320.08,94.72 ; 110.52,31.28 110.52,47.88 104.32,54.08 D68.1 100.37,68.37 D52.1 95.61,84.79 88.22,92.18 D36.1 D4.1 ; v1(126.42,27.98) 128.21,29.78 D84.1
COL4: length 417.2
  Bottom w0.2: D5.1 D21.1 D37.1 110.42,92.18 114.66,87.94 D53.1 115.87,73.13 119.42,69.58 D69.1 122.62,54.08 126.12,50.58 126.12,40.18 133.42,32.88 146.32,32.88 150.52,28.68 150.52,12.15 154.88,7.78 323.35,7.78 326.96,11.39 326.96,91.54 326.32,92.18 320.08,92.18
COL5: length 396.9
  Bottom w0.2: D6.1 D22.1 D38.1 129.12,92.18 133.71,87.59 D54.1 133.71,72.69 138.47,67.93 D70.1 143.02,54.08 149.02,48.08 149.02,31.88 150.92,29.98 150.92,12.31 155.05,8.19 323.12,8.19 326.56,11.62 326.56,87.94 324.86,89.64 320.08,89.64
COL6: length 426.2
  Top w0.2: v1(149.82,32.18) 149.92,32.28 v1(167.42,32.28)
  Bottom w0.2: 320.08,87.1 325.2,87.1 326.16,86.14 326.16,11.82 322.92,8.59 155.21,8.59 151.32,12.48 151.32,30.15 149.82,31.65 v1(149.82,32.18) ; 171.52,35.28 167.52,39.28 167.52,48.28 161.72,54.08 D71.1 157.52,67.98 152.76,72.74 D55.1 152.76,85.54 146.12,92.18 D39.1 143.23,107.79 144.42,108.98 150.72,108.98 152.76,111.02 D23.1 D7.1 ; 171.52,35.28 168.52,32.28 v1(167.42,32.28) ; 171.52,35.28 173.46,33.34 D87.1
COL7: length 355.9
  Top w0.2: v1(187.82,34.88) 218.82,34.88 v1(221.52,32.18) 222.32,32.98 v1(225.22,32.98)
  Bottom w0.2: v1(187.82,34.88) 187.22,35.48 187.22,43.88 177.02,54.08 D72.1 176.57,66.73 171.81,71.49 D56.1 171.81,84.79 164.42,92.18 D40.1 162.28,104.84 165.82,108.38 168.62,108.38 171.47,111.23 D24.1 D8.1 ; D88.1 225.22,33.67 v1(225.22,32.98) ; 320.08,82.02 323.81,82.02 325.75,80.08 325.75,12.02 322.72,8.99 225.11,8.99 221.52,12.58 v1(221.52,32.18)
COL8: length 347.3
  Top w0.2: v1(240.42,48.88) 239.1,48.88 237.72,47.5 235.4,47.5 233.66,49.24 223.26,49.24 221.52,47.5 213.6,47.5 208.52,52.58 v1(196.02,52.58)
  Bottom w0.2: v1(240.42,48.88) 241.82,48.88 248.42,42.28 ; D89.1 250.39,40.31 248.42,42.28 ; 248.42,42.28 248.02,42.68 244.92,39.58 244.92,12.28 247.81,9.39 322.56,9.39 325.35,12.18 325.35,77.98 323.85,79.48 320.08,79.48 ; v1(196.02,52.58) 195.62,52.98 D73.1 195.62,67.38 190.86,72.14 D57.1 190.86,86.54 185.22,92.18 D41.1 181.33,106.89 182.02,107.58 187.62,107.58 190.86,110.82 D25.1 D9.1
COL9: length 317.8
  Top w0.2: v1(324.62,56.78) 324.62,57.68 324.92,57.98 ; 324.92,57.98 337.86,70.92 337.86,79.48 ; 324.92,57.98 324.75,57.82 324.75,57.82
  Bottom w0.2: v1(324.62,56.78) 324.95,56.45 324.95,12.35 322.39,9.79 247.98,9.79 245.32,12.45 245.32,24.58 252.12,31.38 252.12,39.15 238.89,52.38 220.92,52.38 219.22,54.08 D74.1 214.67,66.03 209.91,70.79 D58.1 209.91,88.39 206.12,92.18 D42.1 200.38,102.54 209.07,111.23 D26.1 D10.1
COL10: length 276.6
  Top w0.2: 337.86,82.02 335.02,79.18 335.02,68.65 323.82,57.45 v1(323.82,56.78)
  Bottom w0.2: v1(323.82,56.78) 323.82,56.73 324.34,56.21 ; 324.55,56 324.34,56.21 ; 324.55,56 324.55,12.52 322.23,10.19 248.14,10.19 245.72,12.61 245.72,24.42 252.52,31.22 252.52,32.48 252.52,39.32 237.75,54.08 D75.1 233.72,67.88 228.96,72.64 D59.1 228.96,86.64 223.42,92.18 D43.1 D27.1 ; 324.55,56 324.34,56.21
COL11: length 292.4
  Top w0.2: 337.86,87.1 336.44,87.1 335.87,86.53 335.87,81.33 334.32,79.78 334.32,68.52 323.02,57.22 v1(323.02,56.78)
  Bottom w0.2: v1(323.02,56.78) 323.02,56.68 324.15,55.55 324.15,12.68 322.06,10.59 248.31,10.59 246.12,12.78 246.12,24.25 252.92,31.05 252.92,39.48 247.82,44.58 247.82,55.88 250.32,58.38 250.32,63.98 248.01,66.29 D60.1 248.01,86.69 242.52,92.18 D44.1 D28.1 D12.1
COL12: length 278
  Top w0.2: v1(322.22,56.78) 322.22,56.98 333.92,68.68 333.92,83.08 335.15,84.32 335.15,89.11 335.68,89.64 337.86,89.64 ; v1(268.82,48.98) 266.27,51.53 254.27,51.53 v1(253.62,52.18)
  Bottom w0.2: D13.1 D29.1 D45.1 259.12,92.18 263.92,87.38 263.92,76.08 260.12,72.28 258.32,72.28 252.77,66.73 D77.1 252.77,53.03 v1(253.62,52.18) ; v1(322.22,56.78) 322.22,56.73 323.75,55.2 323.75,12.85 321.89,10.99 277.52,10.99 275.92,12.59 275.92,39.73 D93.1 275.85,41.95 v1(268.82,48.98)
COL13: length 168.3
  Top w0.2: v1(292.62,111.18) 278.42,111.18 278.32,111.28 v1(277.82,111.28) ; v1(301.72,52.18) 316.62,52.18 321.82,57.38 322.05,57.38 333.52,68.85 333.52,83.25 334.75,84.48 334.75,89.28 337.65,92.18 337.86,92.18
  Bottom w0.2: 297.12,62.28 297.12,62.08 294.9,59.86 D94.1 ; 297.12,62.28 297.12,69.38 293.37,73.13 D62.1 295.63,75.51 D46.1 295.63,97.6 294.32,98.92 294.32,109.58 292.67,111.23 ; 297.12,62.28 297.12,56.78 v1(301.72,52.18) ; v1(277.82,111.28) 277.22,111.28 277.17,111.23 D30.1 D14.1
COL14: length 114.9
  Top w0.2: v1(313.02,68.48) 318.12,68.48 334.35,84.71 334.35,91.21 337.86,94.72
  Bottom w0.2: D15.1 294.72,129.37 294.72,114.08 294.97,114.08 295.32,113.73 295.32,113.23 294.97,112.88 294.72,112.88 294.72,99.08 297.82,95.98 297.82,75.38 301.92,71.28 310.22,71.28 v1(313.02,68.48)
COL15: length 158.8
  Top w0.2: v1(317.52,72.08) 321.15,72.08 333.95,84.88 333.95,95.89 337.86,99.8 ; v1(314.52,50.78) 310.52,50.78 310.12,50.38 310.12,48.35 309.27,47.5 304.4,47.5 301.62,50.28 v1(299.52,50.28)
  Bottom w0.2: D64.1 316.47,73.13 v1(317.52,72.08) ; D96.1 294.9,61.96 293.72,60.78 293.72,55.48 298.92,50.28 v1(299.52,50.28) ; D16.1 D80.1 314.68,50.94 v1(314.52,50.78)
ENC_A: length 69.6
  Bottom w0.2: 337.86,104.88 336.52,104.88 334.38,107.02 326.18,107.02 323.22,109.98 323.22,129.48 320.12,132.58 302.52,132.58 297.66,127.72 SW1.A
ENC_B: length 76.3
  Bottom w0.2: 337.86,107.42 326.35,107.42 323.62,110.15 323.62,129.65 320.28,132.98 302.22,132.98 295.22,125.98 295.22,120.69 SW1.B
ENC_SW_1: length 322.9
  Top w0.2: 320.08,127.74 315.38,127.74 315.02,127.38 315.02,121.12 SW1.S1 311.08,117.18 302.22,117.18 299.82,114.78 294.82,114.78 293.42,116.18 293.42,121.68 291.8,123.3 S15.1 218.5,123.3 216.62,125.18 210.3,125.18 208.42,123.3 43,123.3 41.72,124.58 32.12,124.58 30.83,123.3 S1.1
